# KiCad board servo.kicad_pcb (continued)
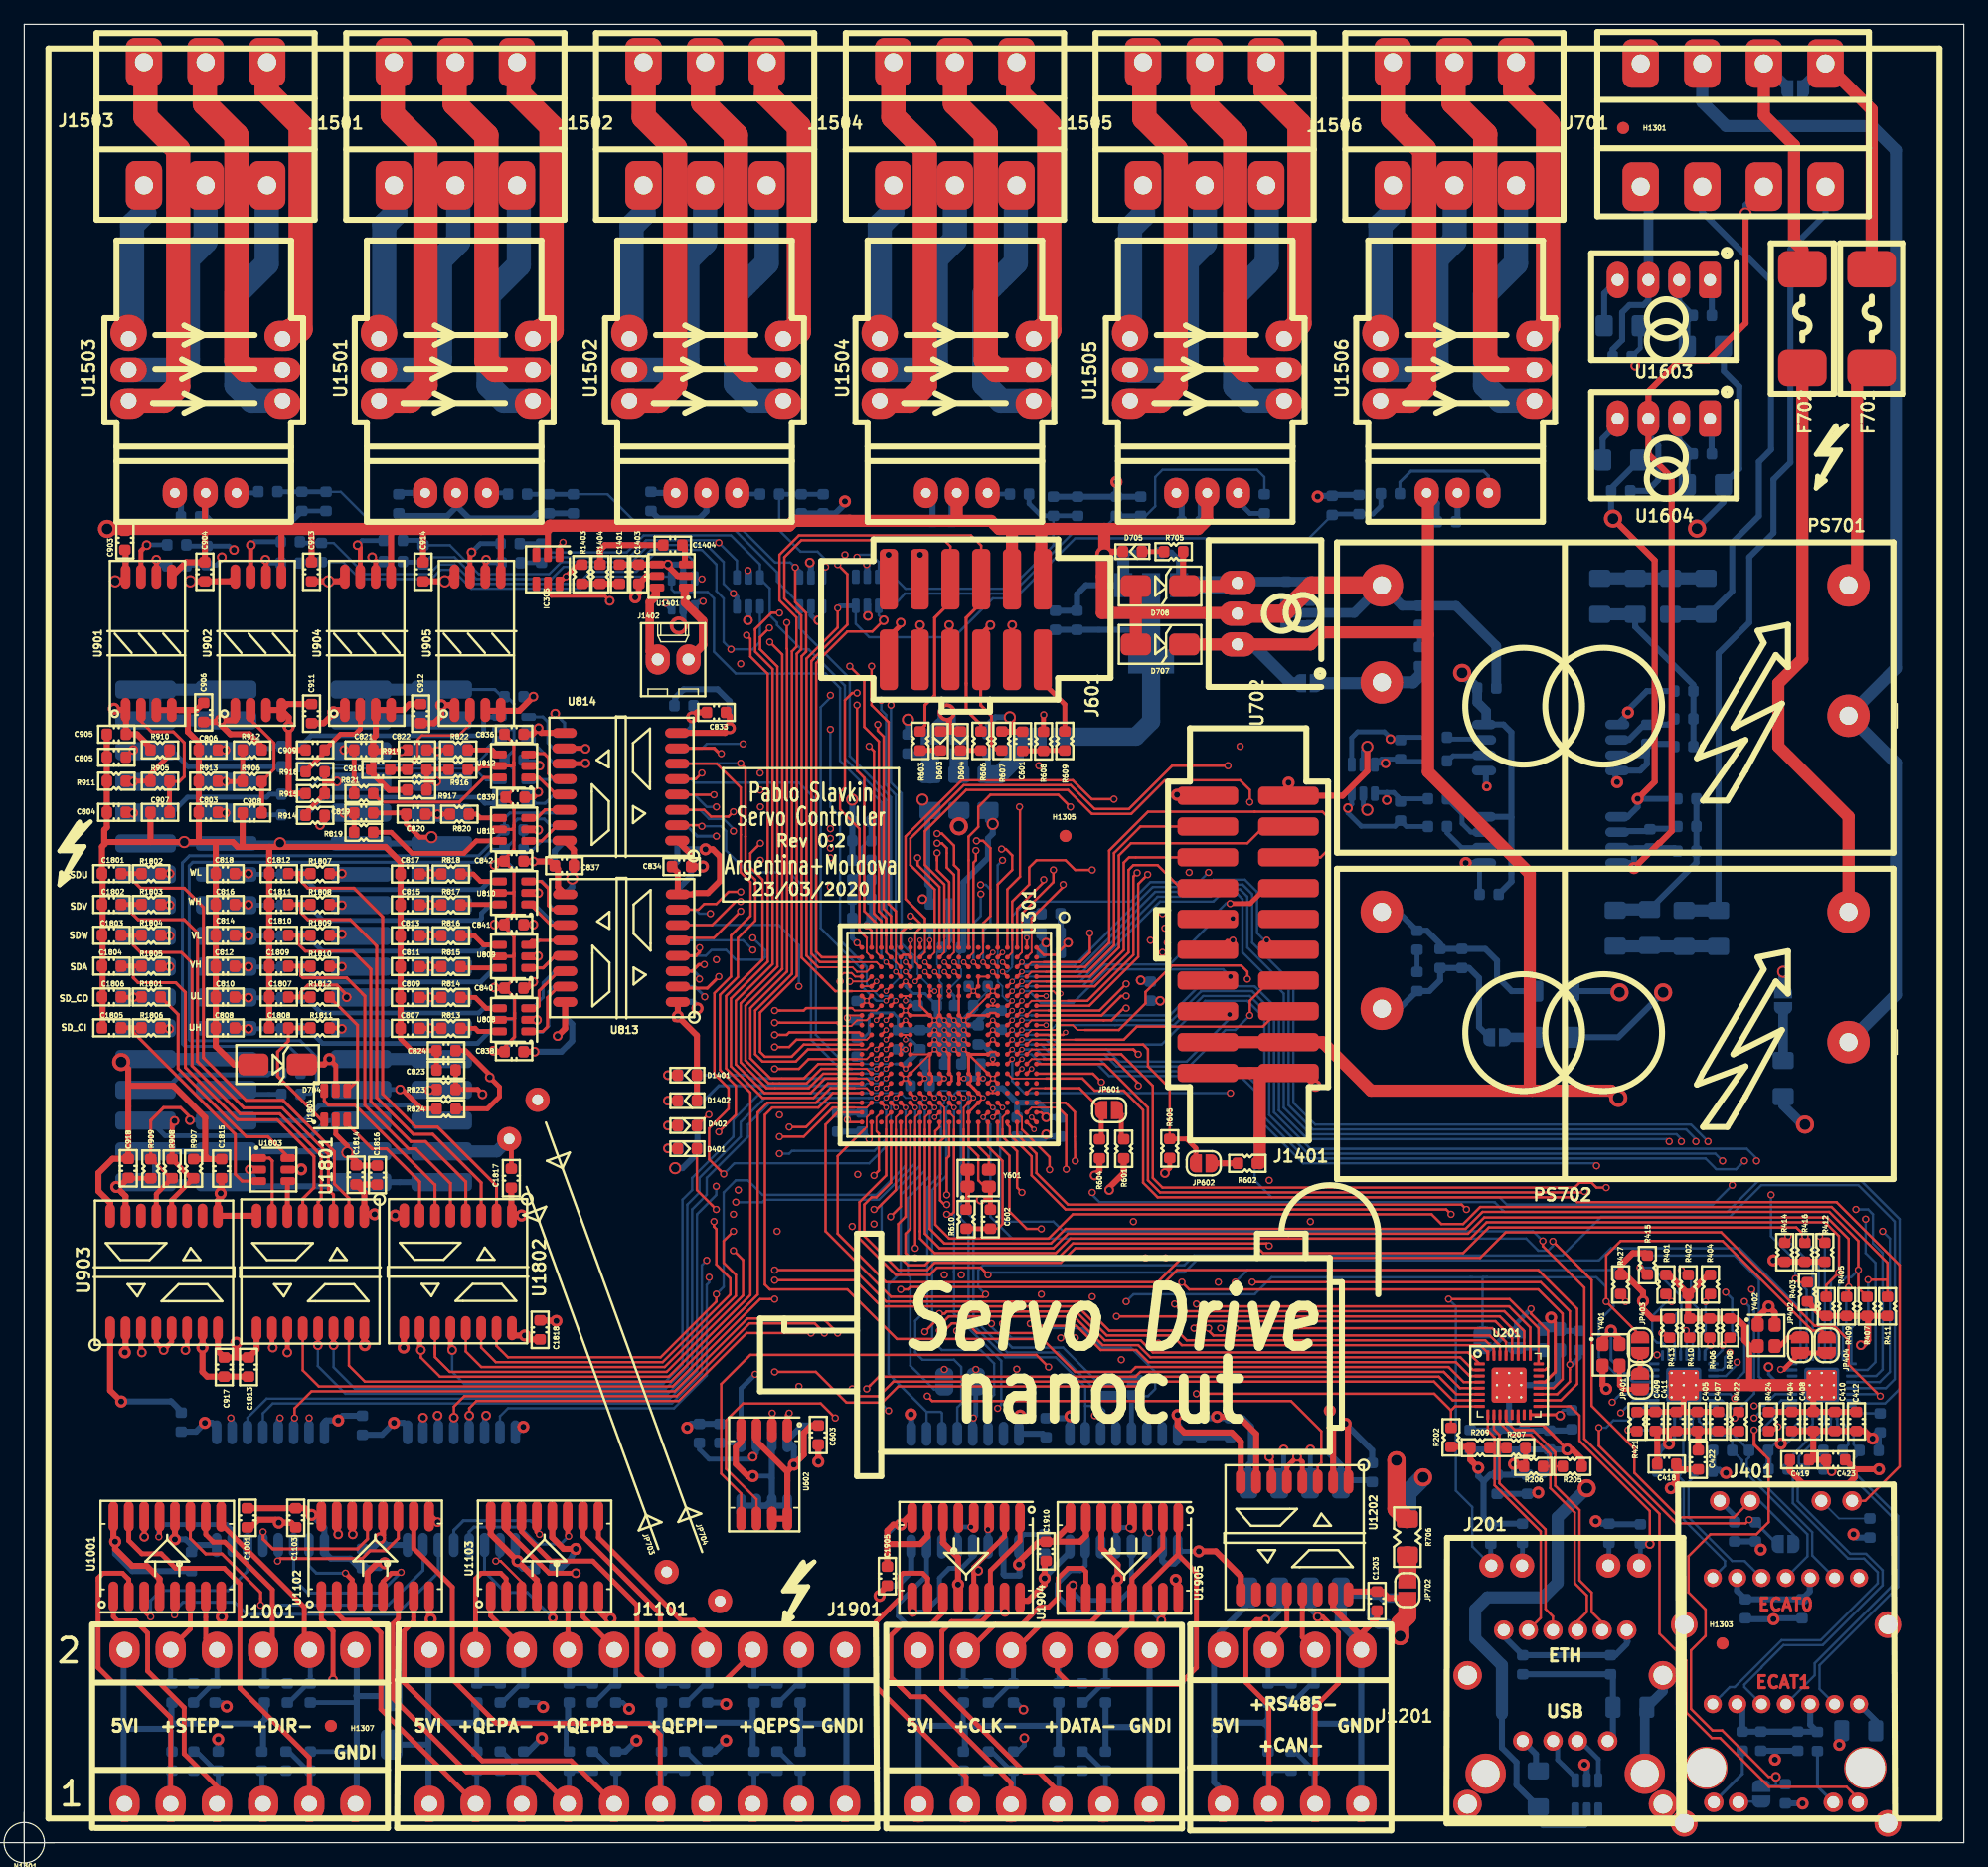
[diagram p0: board, top side]
## Routing (per net, layer and track width the routed paths; a pad name or vN(x,y) marks a point on that pad's centre or on a via; arc(x,y) is an arc through that point) (continued)
GNDB: length 72.1
  GND.Cu w0.25: 139.22,117.32 U1604.1
  GND.Cu w1: U1603.1 U1604.1 139.06,114.67 134.8,110.4 134.8,76.14 131.6,72.94 v1(131.6,70.14)
  Bottom w0.25: 139.2,114.57 C1610.1 ; U1604.1 139.2,117.34
  Bottom w0.5: R704.2 131.5,70.24 v1(131.6,70.14) ; 139.2,117.34 139.2,114.57 ; C1609.1 139.22,128.75 U1603.1
GNDH: length 70.5
  In3.Cu w1.5: PS702.3 115.4,73.38 115.4,73.34 116.6,72.14 116.6,58.14 115.4,56.94 v1(115.4,30.14)
  Bottom w0.5: 113.14,76.79 PS702.3 113.34,76.79 D702.1 115.71,75.23 116.8,74.14 C708.1 C710.1 120.53,73.73 121.5,72.75 121.5,71.44 122.7,70.24 R704.1
  Bottom w1.5: R707.1 114.1,28.84 v1(115.4,30.14)
GNDI: length 488.6
  Top w0.5: 33.4,19.82 33.4,18.57 v3(33.53,18.44) ; 71.2,24.64 71.2,25.74 71.7,26.24 v3(72.3,26.24) ; 71.2,24.64 C1905.1 ; 71.2,24.64 73.9,24.64 74.52,25.26 U1904.7 ; 87.58,27.04 87.58,25.32 87.1,24.84 84.31,24.84 C1910.1 ; U1103.12 43.56,25.18 44.5,24.24 v3(45.5,24.24) ; v3(82.06,22.95) 82.06,23.2 83.69,24.83 C1910.1 ; 86.31,27.04 86.31,26.25 84.89,24.83 C1910.1 ; C1001.1 18.67,26.01 19.3,26.64 20.76,26.64 v3(21,26.4) 22.01,26.4 C1103.1 ; U1103.8 47.37,19.17 48.05,18.49 v3(48.37,18.49) ; J1201.4b 110.3,17.24 111.6,18.54 C1203.1 ; J1201.4b 110.3,17.04 ; J1201.4b 110.3,17.04 ; 110.3,17.04 107.98,19.37 U1202.15 ; v3(96.9,24.04) 98.3,24.04 100.36,21.99 U1202.9 ; 29.59,26.92 29.59,25.36 v3(29.35,25.11) ; U1001.8 16.25,18.56 16.4,18.4 v3(16.3,18.64) ; v3(12.43,25.02) 12.44,25.03 U1001.12 ; v3(72.3,26.24) 72.43,26.24 ; v3(72.3,26.24) 73.12,27.06 U1904.8 73.25,26.49
  GND.Cu w0.4: 16.4,21.94 v3(16.3,18.64) ; v4(82.5,8.64) 82.5,9.44 82.8,9.74
  GND.Cu w0.5: v3(21,26.4) 21,25.74 23.2,23.54 23.2,21.94 ; v3(16,8.54) 16,9.74 15.75,9.99 ; v3(33.53,18.44) 33.53,20.01 33.4,20.14 33.4,23.34 31.63,25.11 v3(29.35,25.11) ; 44.8,20.14 43.7,21.24 43.7,23.64 43.9,23.84 45.1,23.84 v3(45.5,24.24) ; v3(48.37,18.49) 48.37,20.01 48.5,20.14 ; v3(42.7,8.64) 42.8,9.74 42.8,9.74 v3(42.8,11.2) ; v3(16.7,11.24) 16.7,9.74 ; 82.31,23.2 v3(82.06,22.95) 82.06,23.88 82,23.94 ; v3(49.9,11.04) 49.9,9.84 50.5,9.24 v3(50.5,8.44) ; 82.8,9.74 82.43,10.11 v4(82.43,10.98) ; v3(12.43,25.02) 12.43,22.11 12.6,21.94 ; v3(57.9,11.44) 57.9,9.84 58,9.74 v3(57.9,8.44) ; 48.9,9.84 49,9.74
  GND.Cu w1.5: 110.3,9.74 J1201.4b ; 110.3,9.74 92.6,9.74 ; 110.3,9.74 J1201.4a ; 92.6,9.74 92.84,9.98 92.84,15.88 95.14,15.88 97.67,18.41 97.67,23.27 v3(96.9,24.04) 82.1,24.04 82,23.94 75.26,23.94 v3(72.3,26.24) ; 92.6,9.74 92.84,9.5 92.84,3.18 ; 92.6,9.74 68,9.74 ; 25.8,20.14 50.8,20.14 JP703.1 ; 25.8,20.14 27.33,18.62 J1001.6b 27.33,9.86 27.2,9.74 ; 25.8,20.14 24,21.94 23.2,21.94 22.7,21.44 16.9,21.44 16.4,21.94 12.6,21.94 ; J1101.10a 67.71,9.45 68,9.74 ; 6.4,9.74 27.2,9.74 ; 68,9.74 67.71,10.03 J1101.10b ; 68,9.74 27.2,9.74 ; 27.2,9.74 27.2,3.33 J1001.6a
  Bottom w0.25: 67.71,3.43 J1101.10a ; 67.5,15.91 J1101.10b ; 26.86,15.91 J1001.6b ; 26.79,3.21 J1001.6a
  Bottom w0.4: 81.6,7.54 R1913.2 81.99,7.53 82.5,8.04 v4(82.5,8.64) ; v4(82.43,10.98) 81.84,11.57 R1908.2 ; 27.43,11.64 27.36,11.57 R1009.2 ; v3(96.9,24.04) 95.54,24.04 U1908.9 ; R1121.2 49.37,11.57 v3(49.9,11.04) ; v3(16.7,11.24) 16.37,11.57 R1012.2 ; 27.43,7.44 27.34,7.53 R1006.2 ; R1124.2 42.43,11.57 v3(42.8,11.2) ; 110.3,17.24 J1201.4b ; U1901.9 82.06,25 82.49,25.43 C1913.1
  Bottom w0.5: 89.2,9.54 R1905.2 ; 89.2,9.54 92.57,9.54 92.84,9.81 ; 89.2,9.54 R1916.2 ; 27.43,12.14 27.43,15.8 J1001.6b ; 27.43,12.14 27.43,9.65 ; 27.43,12.14 27.41,12.17 ; 106.4,9.83 R1206.2 ; 106.4,9.83 R1203.2 ; 106.4,9.83 110.13,9.83 110.3,10 J1201.4b 110.24,15.97 ; U1901.9 82.06,22.96 v3(82.06,22.95) 82.1,22.91 82.1,22.04 80.9,22.04 80.79,22.15 U1901.10 ; R1106.2 49.59,7.53 v3(50.5,8.44) ; 64.01,9.82 67.73,9.82 67.82,9.91 ; 64.01,9.82 R1112.2 ; 64.01,9.82 64.01,11.56 64,11.57 ; 64.01,9.82 64.09,9.91 64,10 ; C1102.1 28.7,24.24 29.35,24.89 v3(29.35,25.11) 29.9,24.56 31.62,24.56 ; v3(57.9,11.44) 57.77,11.57 R1118.2 ; v3(42.7,8.64) 41.59,7.53 R1103.2 ; v3(45.5,24.24) 45.1,23.44 44.27,22.61 C1104.1 ; 92.84,9.81 92.84,3.18 ; 92.84,9.81 92.84,15.88 ; J1101.10b 67.82,15.8 67.82,9.91 ; J1001.6a 27.43,3.31 27.43,9.91 ; 67.82,9.91 67.82,3.31 J1101.10a ; U1908.9 95.15,23.29 94.9,23.04 94.1,23.04 93.88,23.26 U1908.10 ; v3(12.43,25.02) 13.32,25.02 13.8,24.54 C1105.1 14.37,24.56 U1101.8 ; D703.2 27.4,12.1 ; C1904.1 71.2,25.54 71.9,26.24 v3(72.3,26.24) ; J1201.4a 110.3,9.81 ; v3(57.9,8.44) 56.99,7.53 R1109.2 ; v3(16,8.54) R1003.2
  Bottom w0.8: U1201.5 108.72,20.53 C1202.1 111.29,20.44 111.9,20.44 112.15,20.19 JP705.2
  Bottom w1: J1201.4b 110.3,16.64 108.61,18.33 U1201.5
  Bottom w1.5: J1201.4b 110.54,16.14
GNDP: length 486.3
  Top w0.152: 41.95,75.78 41.25,75.78 C841.2 ; 42.3,67.87 42.29,67.87 41.51,67.87 ; 41.51,73.11 41.59,73.03 42.39,73.03 ; 42.28,78.35 42.29,78.36 ; 41.51,83.58 42.22,83.58 42.25,83.62 ; 41.76,65.28 41.73,65.25 ; v4(18.6,55.54) 18.61,55.52 19.45,55.52 18.77,55.52 18.74,55.55 18.45,55.55 18.44,55.54 ; C840.2 41.39,70.49 ; 41.51,88.82 41.52,88.83 42.17,88.83
  Top w0.4: C819.1 31.41,84.94 C820.1 31.51,84.03 32.6,82.94 v7(33.6,82.94) ; v7(26.66,56.94) 26.66,57.48 25.7,58.44 U1804.2 ; JP703.2 40.18,57.87 C1817.2 ; C807.1 31.04,66.3 32,65.34 C824.1 C823.1 ; R909.2 8.61,54.81 C918.1
  Top w0.5: C803.1 14.4,82.64 14.3,82.54 ; C803.1 R913.2 C806.1 14.4,90.74 13.5,91.64 13.5,93.42 13.48,93.44 12.8,93.44 ; C803.1 14.33,84.99 ; U902.4 21.82,92.84 v3(21.82,92.05) 21.82,90.14 ; U902.4 U902.3 ; U902.4 21.7,93.93 C911.1 ; C906.1 14.79,94.03 14.2,93.44 12.8,93.44 ; R915.2 22,86.54 21.82,86.72 21.82,90.14 ; 21.82,90.14 C909.1 ; 6.81,91.29 C804.1 6.81,83.75 6.6,83.54 6.6,82.34 ; 20.2,82.14 20.21,82.13 C1812.2 C1808.2 ; 20.2,82.14 20.8,82.14 ; 20.2,82.14 18,82.14 ; v4(42.43,91.94) 41.93,91.44 C836.2 ; v7(26.66,56.94) 27.38,56.22 C1814.2 27.41,55.85 C1816.2 ; U814.9 42.67,91.55 42.43,91.78 ; 18,82.14 18.01,82.15 C908.1 ; 18,82.14 17.6,82.14 17.2,82.54 15.8,82.54 ; 12.8,93.44 U901.4 ; C1815.2 16.28,53.64 v3(16.21,53.57) 16.23,53.54 16.23,53.22 15.98,52.97 U903.9 U1801.8 ; 6.6,82.34 6.8,82.54 10.4,82.54 ; 6.6,82.34 6.41,82.15 C1801.2 6.46,79.89 6.46,67.22 ; C839.2 41.97,86.24 v4(42.4,86.67) ; C822.1 31.2,90.14 v4(31.1,90.04) 28.89,90.04 ; U813.9 44.03,78.83 44.03,80.33 C837.2 43.42,80.94 v4(42,80.94) 41.22,80.94 C842.2 ; U903.15 8.36,53.33 v3(7.59,54.1) 7.84,54.1 C918.1 ; 14.3,82.54 v7(13.2,82.54) 10.4,82.54 ; 14.3,82.54 15.8,82.54 ; R917.2 30.1,86.84 28.61,88.33 C910.1 28.79,88.72 C821.1 28.79,91.13 29,91.34 29,93.39 28.99,93.39 ; C838.2 41.73,65.25 ; 20.8,82.14 21.4,82.14 v7(21.1,82.44) ; 20.8,82.14 29.8,82.14 31.04,80.9 C817.1 C807.1 ; C840.2 41.47,70.49 v4(41.99,71.01) ; 10.4,82.54 10.41,82.55 C907.1 ; 41.9,94.44 40.83,93.37 38.04,93.37 ; 15.8,82.54 15.8,82.54 C818.1 C808.1 15.8,65.7 17.3,64.2 D704.2 ; v4(42.4,78.34) 41.54,78.34 ; v3(30.6,51.74) 30.6,51.74 U1802.8 30.88,51.74 ; 19.45,55.5 19.41,55.54 v4(18.6,55.54) ; C912.1 31.79,93.93 31.3,93.44 U904.4 ; U904.3 30.05,93.44 ; 10.92,93.43 12.19,93.43
  GND.Cu w0.5: 31.3,82.34 31.1,82.54 v4(31.1,90.04) ; 30.84,51.79 30.88,51.74 ; 30.6,54.87 30.8,55.07 ; v3(16.21,53.57) 16.33,53.44 ; 30.8,57.85 30.6,58.05
  GND.Cu w1: v4(42.3,67.87) 42.3,67.84 ; v4(42.3,67.87) 41.9,67.47 41.9,65.45 v4(42.1,65.25) ; v4(42.3,67.87) 42,68.17 v4(41.99,71.01) 42.39,70.92 v4(42.39,73.14) 42,73.52 v4(42,75.74) 42.4,76.14 v4(42.4,78.34) 42,78.74 v4(42,80.94) 42.4,81.34 v4(42.4,83.54) v4(42.4,86.67) 42.5,86.77 v4(42.5,88.84) ; 26.8,58.05 26.66,57.9 v7(26.66,56.94) ; 30.8,55.07 30.8,57.85 ; v4(42,94.54) 42.43,94.11 v4(42.43,91.94) 42.43,88.91 ; 16.2,58.05 16.21,58.04 v3(16.21,53.57) ; v3(7.59,54.1) 7.59,57.85 7.4,58.05 ; v3(30.6,51.74) 30.6,54.87 ; 42.3,67.88 42.3,67.87
  GND.Cu w1.5: JP703.2 16.2,58.05 15.19,57.04 8.41,57.04 7.4,58.05 6.49,58.05 5.8,58.74 5.8,81.94 6.2,82.34 22.2,82.34 ; v7(21.1,82.44) 22.1,82.44 22.2,82.34 ; 22.2,82.34 21.82,82.72 v3(21.82,92.05) ; 22.2,82.34 22.5,82.04 31,82.04 31.3,82.34 37,82.34 38.2,83.54 v4(42.4,83.54)
  Bottom w0.152: 41.51,67.9 42.19,67.9 42.23,67.85 42.28,67.85 42.3,67.87 ; C828.2 41.92,75.75 41.95,75.78 ; 42.2,86.67 41.52,86.67 41.51,86.69 ; 41.51,78.36 41.51,78.36 42.29,78.36 ; 41.64,91.78 41.51,91.92 ; 42.39,73.03 42.28,73.13 41.51,73.13
  Bottom w0.25: 41.73,65.25 41.7,65.28 C830.2 ; C831.2 41.44,89.3 41.5,89.24 42.1,89.24 v4(42.5,88.84) ; C802.1 C801.1 42,81.94 42.69,82.63 U802.9
  Bottom w0.5: v4(41.99,71.01) 41.49,70.51 C829.2 ; v3(16.21,53.57) 16.21,54.14 J1704.2 ; v3(7.59,54.1) 7.84,54.1 8.19,54.44 10.77,54.44 J1704.1 ; J1705.2 J1705.1 28.25,54.14 16.2,54.14 J1704.2 ; J1704.2 15.86,54.48 18.3,54.48 18.6,54.78 v4(18.6,55.54) ; J1704.2 J1704.1 ; 41.51,91.95 41.51,91.94 v4(42.43,91.94) ; v4(42,80.94) 43.41,80.94 C832.2 43.76,81.81 U802.9 ; 9.78,57.02 J1704.3 ; J1704.3 10.8,57.01 10.8,54.49 J1704.1 ; J1704.3 J1704.4 J1705.3 J1705.4 ; 41.9,94.44 41.8,94.54 C835.2 ; v4(42.1,65.25) 44.31,65.25 45.2,66.14 45.2,67.52 44.63,68.09 U801.9 ; 7.81,82.41 10.79,82.41 J1704.23 J1704.24 J1705.23 J1705.24
  Bottom w1: J1705.4 38.98,57.02 JP703.2
VBUS1_N: length 89.4
  Top w0.152: U301.U7 70.3,68.64 68.5,68.64 68.3,68.84
  Top w0.2: 68.3,68.84 64.5,68.84 64.3,68.64 v5(61.9,68.64)
  In2.Cu w0.2: v5(60.7,88.24) 61.14,88.24 62.5,89.6 108.49,89.6 109.1,88.98 112.25,88.98 v4(112.3,89.04)
  In3.Cu w0.2: v5(60.7,88.24) 62.3,88.24 62.7,87.84 62.7,74.44 61.3,73.04 61.3,69.24 v5(61.9,68.64)
  Bottom w0.25: 115.8,89.15 115.75,89.2 ; 113.72,89.2 C1601.1
  Bottom w0.4: 115.75,89.2 113.72,89.2 ; C1601.1 111.97,89.38 111.41,88.83 111.62,89.04 v4(112.3,89.04)
VBUS1_N_H: length 85.4
  In3.Cu w0.5: U1603.3 133.99,126.12 132.7,124.84 132.1,124.84 131.1,123.84 131.1,121.04 131.7,120.44 140.7,120.44 141.9,119.24 141.9,105.84 130.4,94.34 130.4,88.48 v3(131.4,87.48)
  Bottom w0.5: C1605.1 133.86,89 133.29,88.43 131.27,88.43 131.27,87.61 v3(131.4,87.48) ; C1605.1 133.87,90.64 135.9,90.64 R1608.2 ; C1605.1 133.86,89.7 131.27,89.7 ; C1607.1 131.04,123.18 131.82,123.96 131.82,126.23 132.43,126.84 133.58,126.84 133.99,127.24 U1603.3
  Bottom w0.8: U1603.3 134,128.92 134,135.95 J701.4b
VBUS1_P: length 82.6
  Top w0.2: U301.T7 v2(71.9,69.44)
  In2.Cu w0.2: v4(112.7,91.04) 112.1,91.64 108.76,91.64 108.5,91.38 98.96,91.38 98.63,91.04 86.3,91.04 85.7,90.44 71.1,90.44 69.7,91.84 v5(66.5,91.84)
  Bottom w0.152: v2(71.9,69.44) 71.5,69.84 70.5,69.84 69.5,70.84 69.5,71.24
  Bottom w0.2: 69.5,71.24 69.5,72.24 67.3,74.44 67.3,84.64 66.5,85.44 v5(66.5,91.84)
  Bottom w0.25: 113.77,91.19 C1601.2
  Bottom w0.4: 109.51,88.83 109.51,91.15 110,91.64 112.2,91.64 112.7,91.14 v4(112.7,91.04) 113.46,91.04 C1601.2 ; R1601.1 113.77,91.19
VBUS1_P_H: length 42.9
  Bottom w0.5: R1616.2 138.98,101.32 140.9,103.24 140.9,107.24 143.1,109.44 143.1,113.9 144.1,114.9 144.1,128.84 138.43,134.51 J701.3b
  Bottom w1: R1616.2 R1613.2
VBUS2_N: length 61.5
  Top w0.152: U301.W4 68.55,71.44 68.25,71.74 67.6,71.74 67.3,71.44 v5(67.3,71.04)
  In2.Cu w0.2: v4(109.2,85.34) 109.02,85.16 104.22,85.16 100.5,81.44 95.5,81.44 91.5,77.44 77.9,77.44 76.7,78.64 73.3,78.64 70.9,76.24 70.9,75.04 67.3,71.44 v5(67.3,71.04)
  Bottom w0.4: R1604.1 114.02,83.82 C1602.1 113.08,83.84 110.3,83.84 109.2,84.94 v4(109.2,85.34) 109.51,85.65 109.51,86.63
VBUS2_N_H: length 81.6
  Top w0.5: v3(132.8,80.4) 134.87,82.47 134.93,82.47 135.9,83.44 135.9,112.61 133.99,114.53 U1604.3 133.99,119.72 136.5,122.24 138.9,122.24 142,125.34 v7(142,134.4)
  Bottom w0.5: C1608.1 133.91,111.51 134.8,112.4 134.8,115.26 133.99,116.08 U1604.3 ; C1606.1 132.88,82.02 132.8,81.94 v3(132.8,80.4) 132.39,80.81 131.27,80.81 ; C1606.1 131.34,82.02 131.27,82.08 ; C1606.1 134.14,82.04 136.12,82.04 R1610.2 ; v7(142,134.4) 142,135.09 J701.2b
VBUS2_P: length 61.8
  Top w0.152: U301.V4 69.5,71.04 v5(68.1,71.04)
  In2.Cu w0.2: v5(68.1,71.04) 68.1,71.44 71.3,74.64 71.3,76.04 72.3,77.04 74.9,77.04 91.9,77.04 95.7,80.84 100.7,80.84 104.38,84.52 108.82,84.52 109.3,84.04 111.3,84.04 112.4,85.14 v4(112.4,86)
  Bottom w0.152: 111.56,86.49 111.41,86.63
  Bottom w0.25: 111.41,86.63 112.4,86.63 v4(112.4,86)
  Bottom w0.4: R1603.1 113.77,86.11 C1602.2 113.54,86.06 112.97,86.63 112.4,86.63 ; 112.4,86.63 v4(112.4,86) ; 112.4,86.63 111.41,86.63
VBUS2_P_H: length 66.2
  Bottom w0.5: R1618.2 139.77,98.11 142.3,100.64 142.3,106.04 144.3,108.04 144.3,112.44 145.7,113.84 145.7,131.44 148.59,134.33 J701.1b
  Bottom w1: R1617.2 R1618.2
1-WIRE_N_H: length 34.6
  Top w0.25: R908.2 12.09,54.81 10.51,56.39 R909.1 10.44,59.58 11.5,60.64 12.9,60.64 13.66,59.88 v4(13.66,59.6)
  Top w0.4: R908.2 10.9,53.5 U903.13
  Bottom w0.4: v4(13.66,59.6) 15.82,59.6 J1704.6 23.09,59.56 24.37,60.84 32.36,60.84 J1705.6
1-WIRE_P_H: length 28.6
  Top w0.4: v4(12.4,59.54) 12.2,59.34 R908.1 13.78,54.81 R907.2 12.17,53.01 U903.12
  Bottom w0.4: J1704.5 10.81,59.13 11.62,58.32 23.67,58.32 24.91,59.56 J1705.5
1WIRE_EN: length 97.8
  Top w0.2: U301.B14 v2(83.1,63.84)
  Top w0.4: U903.4 10.9,41.24 v4(11.5,40.64) 12.17,41.31 U903.5
  In2.Cu w0.2: v4(11.5,40.64) 13.5,38.64 52.67,38.64 55.1,41.07 55.1,54.64 56.3,55.84 65.7,55.84 66.1,56.24 79.5,56.24 82.3,59.04 82.3,63.04 v2(83.1,63.84)
1WIRE_IN: length 110.3
  Top w0.2: v5(88.85,62.75) 88.16,63.44 U301.A14
  Top w0.4: U903.3 9.63,40.51 v4(9.7,40.44)
  In2.Cu w0.2: v4(9.7,40.44) 11.9,38.24 55.7,38.24 61.3,43.84 73.5,43.84 75.7,46.04 87.1,46.04 v5(88.1,45.04)
  In3.Cu w0.2: v5(88.1,45.04) 88.7,45.64 88.7,51.44 90.84,53.58 90.84,60.76 v5(88.85,62.75)
1WIRE_OUT: length 94.1
  Top w0.2: U301.C14 v2(82.3,63.84)
  Top w0.4: v4(13.3,40.64) 13.44,40.78 U903.6
  In2.Cu w0.152: 81.5,63.01 82.19,63.69
  In2.Cu w0.2: v4(13.3,40.64) 13.31,40.03 14.3,39.04 52.5,39.04 54.7,41.24 54.7,54.84 56.1,56.24 65.3,56.24 65.7,56.64 79.3,56.64 81.5,58.84 81.5,63.01 82.3,63.81 v2(82.3,63.84)
/ac_in/AC_L_C: length 21.4
  Top w1: J701.1a 152.4,142.95 F701.2
  Bottom w0.8: J701.1a 146.75,144.93 JP707.1
/ac_in/AC_L_C_FUSE: length 18.7
  Top w1: PS701.1 151.2,104.42 151.2,120.47 F701.1
/ac_in/AC_L_H: length 21.8
  Top w1: 146.3,130.18 F702.2 146.69,131.39 146,132.08 146,140 143.51,142.49 J701.2a
  Bottom w0.8: J701.2a 145.45,144.82 JP707.2
/ac_in/AC_L_H_FUSE: length 48.1
  Top w1: PS702.1 150.5,76.8 150.5,84.62 144.7,90.42 144.7,95.64 146.69,97.62 F702.1
/ac_in/AC_N: length 99.2
  Bottom w1: PS702.2 154.4,69.94 154.4,89.06 PS701.2 154.4,96.87 154.4,139.6 152.4,141.6 140.4,141.6 138.43,143.57 J701.3a
/can rs485/CAN_N_H: length 24.5
  Top w0.4: v4(106.7,18.64) 107.1,18.64 108.42,17.32 108.42,13.16 106.49,11.23 J1201.3a
  Bottom w0.4: v4(106.7,18.64) 106.1,19.24 106.1,20.35 106.07,20.38 ; J1201.3a 106.4,3.3 R1203.1 106.39,5.95 104.81,7.53 R1202.2
/can rs485/CAN_P_H: length 24.6
  Top w0.4: v4(102.4,18.4) 101.66,18.4 100.78,17.52 100.78,13.22 102.68,11.32 J1201.2a
  Bottom w0.4: 102.8,3.32 J1201.2a 102.62,3.28 R1201.2 R1202.1 ; 103.53,20.38 103.53,19.07 102.86,18.4 v4(102.4,18.4)
/can rs485/RS485_N_H: length 10.4
  Top w0.4: U1202.13 105.44,16.97 J1201.3b
  Bottom w0.4: R1205.2 104.63,11.57 106.2,13.14 R1206.1 106.4,15.81 J1201.3b
/can rs485/RS485_P_H: length 10.6
  Top w0.25: J1201.2b 102.68,16.58
  Top w0.4: J1201.2b 102.68,16.42 104.17,17.91 U1202.12
  Bottom w0.4: J1201.2b 102.62,15.84 R1204.2 R1205.1
/endat/ENDAT1_CLK_H: length 9.6
  Top w0.4: U1904.9 73.3,19.91 v4(73.3,19.04)
  Bottom w0.4: U1901.12 78.25,23.59 77.3,22.64 76.3,22.64 75.5,21.84 75.5,20.24 74.3,19.04 v4(73.3,19.04)
/endat/ENDAT1_CLK_H_N: length 30.7
  Top w0.4: J1901.3a 81.41,4.93 74.3,12.04 73.1,12.04 71.49,13.65 71.49,17.1 72.43,18.04 74.84,18.04 75.79,18.99 U1904.11
  Bottom w0.4: R1912.2 79.81,7.53 81.39,5.95 R1913.1 81.6,3.37 J1901.3a 81.28,3.3 ; 79.5,7.53 79.61,7.53
/endat/ENDAT1_CLK_H_P: length 32.2
  Top w0.4: J1901.2a 77.7,3.28 77.7,5.44 70.3,12.84 70.3,18.24 72.28,20.21 72.28,22.01 72.5,22.24 74.1,22.24 74.52,21.82 U1904.10
  Bottom w0.4: 77.72,3.3 J1901.2a 77.47,3.3 R1911.2 R1912.1
/endat/ENDAT1_CS_H: length 3.7
  Top w0.4: U1904.4 78.33,26.33 v5(78.1,26.04)
  Bottom w0.4: U1901.13 76.98,25.73 77.28,26.04 v5(78.1,26.04)
/endat/ENDAT1_DATA_H_N: length 38.5
  Top w0.4: 78.33,22.24 U1904.13 ; 78.33,22.24 78.53,22.44 v4(78.7,22.44) ; 78.33,22.24 78.33,22.73 80.87,25.27 80.87,25.64
  In2.Cu w0.4: J1901.5a 89.03,5.07 87.11,6.99 87.11,17.63 85.3,19.44 83.5,19.44 81.5,21.44 79.7,21.44 v4(78.7,22.44)
  Bottom w0.4: 87.2,7.53 87.41,7.53 ; 87.41,7.53 R1915.2 ; 87.41,7.53 88.99,5.95 R1916.1 89.2,3.35 J1901.5a
/endat/ENDAT1_DATA_H_P: length 37.4
  Top w0.4: J1901.4a 85.22,4.32 83.7,5.84 82.5,5.84 75.7,12.64 75.7,17.44 76.5,18.24 78.97,18.24 79.6,18.87 U1904.14 79.7,20.06 79.7,22.44 82.14,24.88 U1904.1
  Bottom w0.4: R1915.1 R1914.2 85.34,3.3 J1901.4a 85.2,3.19
/endat/ENDAT1_MISO_H: length 2.6
  Top w0.4: v5(79.5,25.84) 79.6,27.06 U1904.3
  Bottom w0.4: U1901.11 79.52,25.52 v5(79.5,25.84)
/endat/ENDAT1_MOSI_H: length 17.1
  Top w0.4: v4(80.9,19.04) 80.8,19.89 U1904.15
  Bottom w0.4: U1901.15 74.44,22.04 72.1,19.7 72.1,18.7 72.76,18.04 78.1,18.04 79.1,19.04 v4(80.9,19.04)
/endat/ENDAT2_CLK_H: length 10.9
  Top w0.4: v4(86.5,21.24) 86.31,21.05 U1905.9
  Bottom w0.4: v4(86.5,21.24) 86.5,20.67 87.18,20 90.4,20 91.34,20.94 U1908.12
/endat/ENDAT2_CLK_H_N: length 15.2
  Top w0.4: J1901.3b 81.74,15.88 84.06,18.2 88.01,18.2 88.85,19.04 U1905.11
  Bottom w0.4: R1907.2 79.83,11.57 81.4,13.14 R1908.1 81.6,15.68 J1901.3b
/endat/ENDAT2_CLK_H_P: length 21.1
  Top w0.4: U1905.10 87.58,22.36 87.3,22.64 86.1,22.64 85.3,21.84 85.3,20.24 84.5,19.44 83.74,19.44 82.34,18.04 80.1,18.04 77.94,15.88 J1901.2b
  Bottom w0.4: R1907.1 R1906.2 77.47,15.75 J1901.2b
/endat/ENDAT2_CS_H: length 3.6
  Top w0.4: v8(91.2,26) 91.39,26.19 91.39,27.04
  Bottom w0.4: v8(91.2,26) 90.49,26 90.07,25.58 U1908.13
/endat/ENDAT2_DATA_H_N: length 18.8
  Top w0.4: J1901.5b 91.39,18.24 U1905.13 91.39,21.79 93.93,24.33 93.93,27.04
  Bottom w0.25: 88.9,15.76 89.05,15.91
  Bottom w0.4: R1904.2 87.43,11.57 89,13.14 R1905.1 89.2,15.7 J1901.5b
/endat/ENDAT2_DATA_H_P: length 37.6
  Top w0.4: 95.2,27.04 95.2,24.24 ; 95.2,24.24 95.2,23.74 96.7,22.24 96.7,14.44 95.3,13.04 86.3,13.04 85.22,14.12 J1901.4b ; 95.2,24.24 95.2,23.81 92.66,21.27 U1905.14
  Bottom w0.4: J1901.4b 85.34,15.75 R1903.2 R1904.1
/endat/ENDAT2_MISO_H: length 2.7
  Top w0.4: v8(92.8,25.6) 92.8,26.9 92.66,27.04
  Bottom w0.4: U1908.11 92.61,25.41 v8(92.8,25.6)
/endat/ENDAT2_MOSI_H: length 16.5
  Top w0.4: v4(93.8,18.34) 93.93,18.73 U1905.15
  Bottom w0.4: v4(93.8,18.34) 93.1,19.04 86.56,19.04 85.2,20.4 85.2,21.34 86.3,22.44 87.1,22.44 87.53,22.87 U1908.15
/ethercat/ecat0_bias: length 2.8
  Top w0.2: R422.1 141.43,35.37 v5(141.1,35.04)
  Bottom w0.2: v5(141.1,35.04) 140.5,35.04 139.54,36 U402.8
/ethercat/ecat0_col: length 2.8
  Top w0.2: v5(137.1,42.24) 137.1,41.95 R410.1
  Bottom w0.2: v5(137.1,42.24) 137.15,42.19 U402.29
/ethercat/ecat0_crs: length 3.3
  Top w0.2: R413.2 135.49,41.66 v5(135.1,42.04)
  Bottom w0.2: U402.27 136.15,41.39 135.5,42.04 v5(135.1,42.04)
/ethercat/ecat1_bias: length 3.5
  Top w0.2: R424.1 144.31,33.96 v5(144.66,34.31)
  Bottom w0.2: U403.16 146.54,34.87 145.97,34.31 v5(144.66,34.31)
/ethercat/ecat1_col: length 10.8
  Top w0.2: v5(148.1,50.04) 148.54,49.6 R412.2
  Top w0.5: 148.51,49.5 148.54,49.48
  Bottom w0.2: U403.29 148.54,49.61 v5(148.1,50.04)
/ethercat/ecat1_crs: length 11.3
  Top w0.2: v5(145.5,50.04) 145.24,49.78 R414.2
  Bottom w0.2: U403.27 147.54,47.61 145.5,49.64 v5(145.5,50.04)
/ethercat/ecat1_led0: length 46.1
  Top w0.152: 143.57,31.98 143.46,32.09
  Top w0.2: v4(144.5,5.44) 143.9,5.44 140.08,9.27 139.28,9.27 137.5,11.04 137.5,15.87 138.7,17.07 138.7,19.24 137.3,20.64 137.3,23.64 139.1,25.44 142.9,25.44 143.9,26.44 143.9,31.65 143.57,31.98
  Top w0.25: 143.57,31.98 142.7,32.85 v5(142.7,34.05)
  Bottom w0.152: 145.07,5.04 R434.2
  Bottom w0.2: 144.5,4.69 145.15,4.69 R434.2 ; 144.5,4.69 v4(144.5,5.44) ; 144.5,4.69 JP406.2 ; U403.17 145.26,36 143.31,34.05 v5(142.7,34.05)
  Bottom w0.25: 145.26,4.85 R434.2
/ethercat/ecat1_pwrdn: length 2.6
  Bottom w0.2: U403.8 150.94,36 151.51,35.43 R425.1
/ethercat/P0_RD_N: length 18.7
  Bottom w0.2: U402.9 138.62,35.29 138.62,34.95 139.51,34.06 140.59,34.06 R437.2 142.29,31.78 142.1,31.59 142.1,31.01 147.5,25.61 147.5,23.69 J401.13
/ethercat/P0_RD_P: length 18.5
  Bottom w0.2: J401.11 147.1,23.62 147.1,25.44 141.7,30.84 141.7,31.55 R435.2 140.89,33.12 140.41,33.61 139.33,33.61 138.17,34.76 138.17,35.29 U402.10
/ethercat/P0_TD_N: length 17
  Bottom w0.2: U402.11 137.62,35.29 137.62,33.83 137.32,33.52 137.32,31.16 137.73,30.75 137.73,30.17 137.3,29.74 137.3,26.84 140.9,23.24 141.92,23.24 J401.10
/ethercat/P0_TD_P: length 15.8
  Bottom w0.2: U402.12 137.17,35.29 137.17,34.01 136.87,33.7 136.87,31.16 136.45,30.75 136.45,30.24 136.9,29.79 136.9,26.64 140.3,23.24 140.3,22.85 J401.8
/ethercat/P1_RD_N: length 29.4
  Bottom w0.2: U403.9 150.01,35.29 150.01,34.66 150.92,33.75 150.92,32.84 R440.2 151.4,32.14 150.9,31.64 150.9,30.61 154.57,26.94 154.57,21.11 148.1,14.64 148.1,12.68 J401.6
/ethercat/P1_RD_P: length 29.9
  Bottom w0.2: U403.10 149.56,35.29 149.56,34.47 150.47,33.57 150.47,32.84 R438.2 149.99,32.15 150.5,31.64 150.5,30.44 154.17,26.78 154.17,21.27 147.7,14.81 147.7,13.81 J401.4
/ethercat/P1_TD_N: length 36.3
  Bottom w0.2: U403.11 149.01,35.29 149.01,34.47 146.4,31.85 146.4,31.29 R432.2 146.3,30.26 146.3,28.17 150.63,23.84 151.94,23.84 153.3,22.47 153.3,21.24 148.37,16.31 145.13,16.31 143.31,14.49 143.31,14.45 141.9,13.04 141.9,12.84 143.3,11.44 J401.3
/ethercat/P1_TD_P: length 36.8
  Bottom w0.2: U403.12 148.56,35.29 148.56,34.65 145.95,32.04 145.95,31.29 R430.2 145.9,30.4 145.9,28.01 150.47,23.44 151.77,23.44 152.9,22.31 152.9,21.41 148.2,16.71 144.97,16.71 141.1,12.84 140.7,12.84 J401.1
/ethernet/clk_xi: length 12
  Top w0.2: v5(124.3,44.04) 124.3,43.64 125.7,42.24 125.7,39.24 125.46,39 U201.23
  Bottom w0.4: v5(124.3,44.04) 123.1,42.84 JP201.1 122.35,42.09 121.05,40.79 JP202.2
/ethernet/enet_led0: length 19.4
  Top w0.2: U201.17 127.54,36 128.3,35.24 128.3,33.16 134.1,27.36 v4(134.1,24.64)
  Bottom w0.4: v4(134.1,24.64) 134.05,24.69 R208.2 133.32,22.97 J201.13
/ethernet/enet_led1: length 36.6
  Top w0.2: v5(117.5,44.84) 122.54,44.84 124.93,42.45 U201.24
  Bottom w0.152: 120.98,22.91 J201.16
  Bottom w0.2: J201.16 119.45,24.44 119.45,27.69 118.1,29.04 118.1,44.24 v5(117.5,44.84)
  Bottom w0.4: R211.2 120.98,22.91
/ethernet/P0_RD_N: length 20.4
  Top w0.2: U201.9 120.74,34 121.3,33.44 121.3,32.64 ; J201.11 125.1,18.56 125.1,25.67 121.3,29.47 121.3,32.64 ; 121.3,32.64 121.25,32.59 R209.2
/ethernet/P0_RD_P: length 20.4
  Top w0.2: 121.7,32.64 121.7,33.64 121.24,34.1 U201.10 ; 121.7,32.64 121.7,32.63 121.74,32.59 R207.2 ; 121.7,32.64 121.7,29.64 125.5,25.84 125.5,19.27 126.11,18.67 J201.10
/ethernet/P0_TD_N: length 22.6
  Top w0.2: 125.9,31.04 R206.2 ; 125.9,31.04 125.9,29.24 127.9,27.24 127.9,21.41 128.9,20.41 128.9,19.04 128.14,18.28 J201.9 ; 125.9,31.04 125.9,32.04 125.31,32.63 125.29,32.63 125.3,32.64 124.3,33.64 122.74,33.64 121.74,34.63 U201.11
/ethernet/P0_TD_P: length 22.8
  Top w0.2: U201.12 122.24,34.77 122.97,34.04 124.47,34.04 126.07,32.44 ; 126.07,32.44 126.22,32.29 ; 126.07,32.44 126.3,32.21 126.3,31.04 ; 126.3,31.04 R205.2 ; 126.3,31.04 126.3,29.44 128.3,27.44 128.3,21.64 129.3,20.64 129.3,19.04 130.17,18.17 J201.8
/lem/LemA_All_1: length 32
  Top w2: J1502.3 51.1,146.86 51.1,142.34 53.7,139.74 53.7,120.34 52.32,118.96 U1502.1
/lem/LemA_All_2: length 20.2
  Bottom w2: J1502.5 56.17,132.01 54.7,130.54 54.7,122.24 53.96,121.5 U1502.2
/lem/LemA_All_3: length 13.2
  Bottom w2: U1502.3 50.1,124.22 50.1,133.34 51.09,134.33 J1502.4
/lem/LemA_All_4: length 24.9
  Top w2: J1502.1 61.2,146.82 61.2,144.24 63.9,141.54 63.9,124.64 63.22,124.64 U1502.4
/lem/LemA_All_5: length 29.9
  Top w2: J1502.2 56,146.7 56,143.54 58.7,140.84 58.7,122.44 59.64,121.5 U1502.5
/lem/LemA_All_6: length 21.9
  Bottom w2: J1502.6 61.25,130.29 58.7,127.74 58.7,120.34 60.08,118.96 U1502.6
/lem/LemAU_1: length 32.5
  Top w2: U1503.1 11.52,118.96 12.7,120.14 12.7,139.64 10,142.34 10,146.76 J1503.3
/lem/LemAU_2: length 20.2
  Bottom w2: U1503.2 12.66,121.5 13.5,122.34 13.5,130.64 14.96,132.1 J1503.5
/lem/LemAU_3: length 13.2
  Bottom w2: J1503.4 9.88,134.46 9.9,134.44 8.9,133.44 8.9,124.33 U1503.3
/lem/LemAU_4: length 25
  Top w2: U1503.4 22.01,124.74 22.7,124.74 22.8,124.84 22.8,141.64 20,144.44 20,146.83 J1503.1
/lem/LemAU_5: length 29.9
  Top w2: J1503.2 14.9,146.81 14.9,143.44 17.5,140.84 17.5,122.24 18.24,121.5 U1503.5
/lem/LemAU_6: length 21.9
  Bottom w2: J1503.6 20,136.67 20,130.24 17.5,127.74 17.5,120.24 18.78,118.96 U1503.6
/lem/LemAV_1: length 32.2
  Top w2: J1501.3 30.4,146.79 30.4,142.54 33.1,139.84 33.1,120.24 31.82,118.96 U1501.1
/lem/LemAV_2: length 20.5
  Bottom w2: J1501.5 35.8,136.48 35.8,132.04 34.3,130.54 34.3,122.34 33.46,121.5 U1501.2
/lem/LemAV_3: length 13.3
  Bottom w2: J1501.4 30.6,136.6 30.6,134.34 29.7,133.44 29.7,124.48 U1501.3
/lem/LemAV_4: length 25.1
  Top w2: J1501.1 40.8,146.72 40.8,144.24 43.5,141.54 43.5,124.74 42.66,124.74 U1501.4
/lem/LemAV_5: length 29.9
  Top w2: U1501.5 38.84,121.5 38.13,122.22 38.13,140.82 35.5,143.44 35.5,146.81 J1501.2